# KiCad board srvant.kicad_pcb (continued)
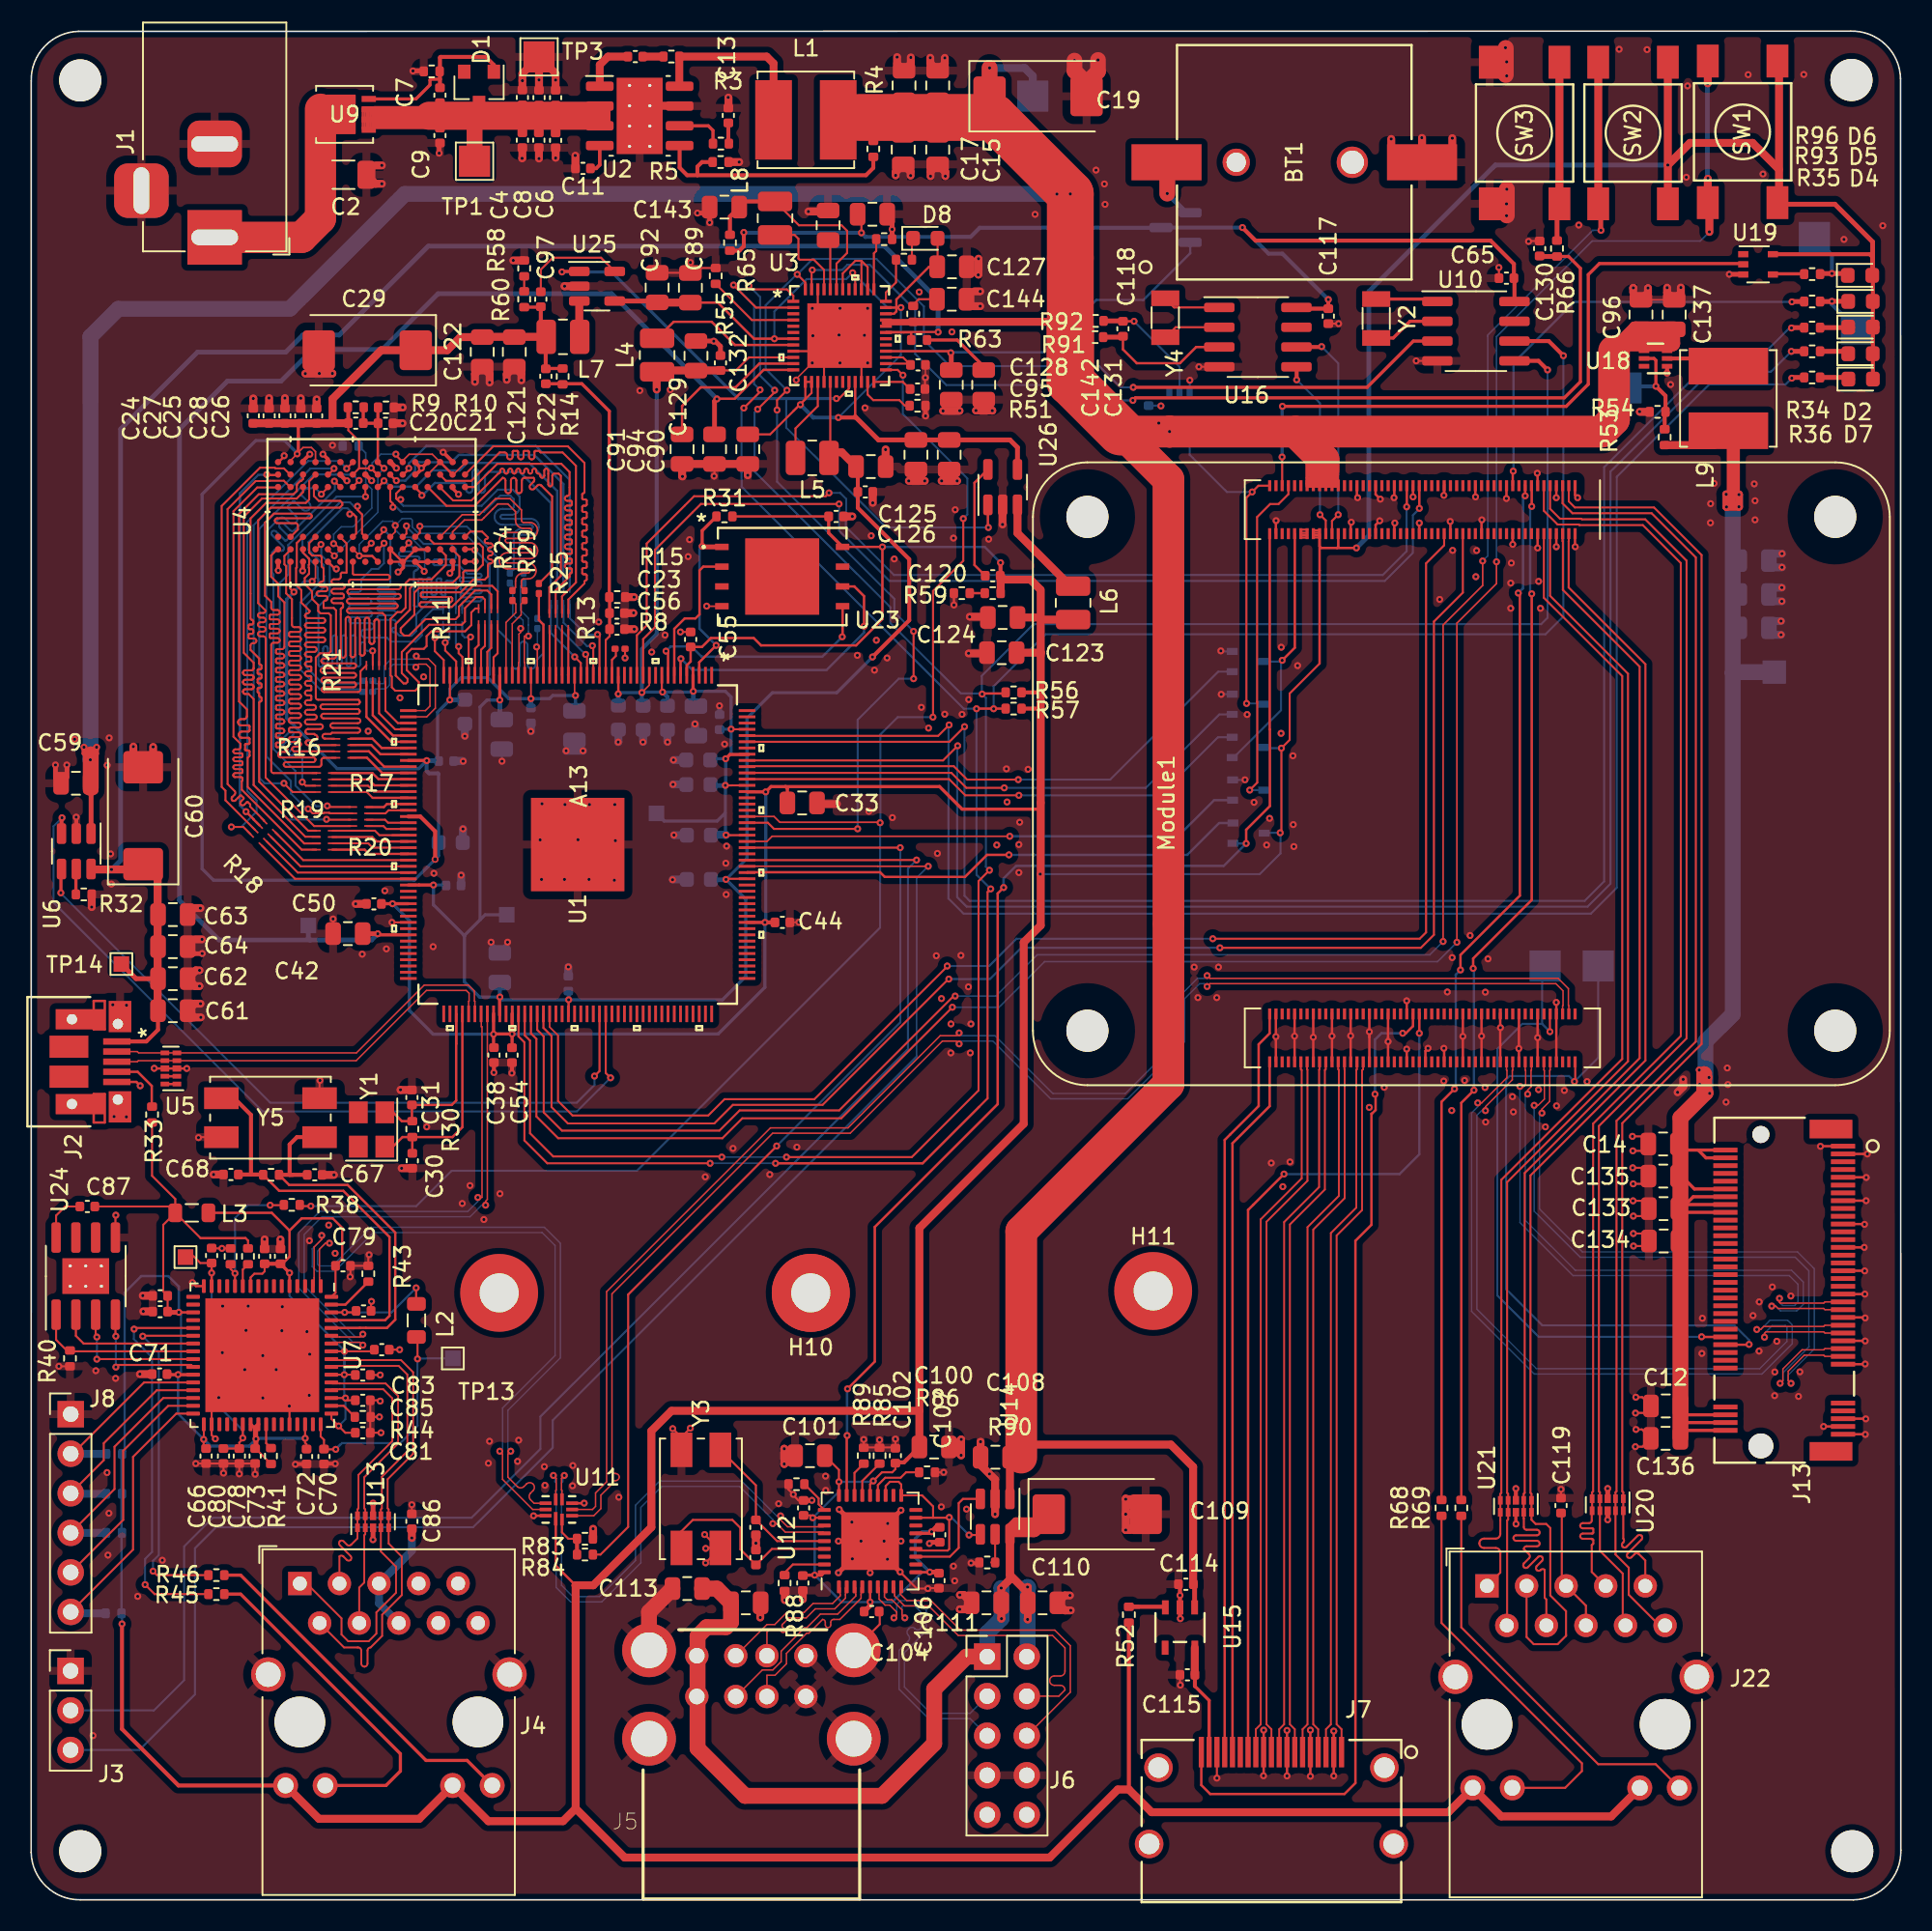
[diagram p0: board, top side]
## Routing (per net, layer and track width the routed paths; a pad name or vN(x,y) marks a point on that pad's centre or on a via; arc(x,y) is an arc through that point) (continued)
/a13 connectors/BMC_DANGER_LED: length 110.1
  Top w0.127: v1(59.91,75.34) 58.94,74.37 U1.171
  Top w0.305: v1(112.99,100.94) 113.01,100.97 R35.2
  Bottom w0.13: v1(112.99,100.94) 112.86,100.94 110.55,98.63 107.6,98.63 100.97,92 100.97,65.41 99.71,64.15 60.24,64.15 59.91,64.48 v1(59.91,75.34)
/a13 connectors/BMC_ID_LED: length 109.5
  Top w0.102: 45.97,74.75 U1.172
  Top w0.127: v1(58.92,75.45) 58.22,74.75 45.97,74.75
  Top w0.13: v1(113.01,97.72) 113.06,97.76
  Top w0.305: 113.06,97.76 R36.2
  Bottom w0.13: v1(58.92,75.45) 58.88,75.41 58.88,64.3 59.85,63.33 100.11,63.33 101.78,65 101.78,91.39 107.71,97.32 112.61,97.32 v1(113.01,97.72)
/a13 connectors/BMC_nRPIBOOT: length 32.3
  Top w0.102: U1.155 47.23,67.97 47.56,68.3 v1(62.81,68.3)
  Bottom w0.152: Q5.1 75.93,70.62 73.61,68.3 v1(62.81,68.3)
/a13 connectors/BMC_POST_COMPLETE: length 32.8
  Top w0.152: v1(62.76,67.11) 61.36,67.11 59.94,65.69 54.79,65.69 54.49,65.99 45.97,65.99 U1.150
  Bottom w0.152: v1(62.76,67.11) 74.21,67.11 76.25,69.15 Q3.2
/a13 connectors/BMC_POWER_BUTTON: length 139.2
  Top w0.102: 107.72,108.84 107.72,108.89 ; v1(91.52,61.49) 91.52,81.99 94.06,84.53 v1(94.06,85.93) ; 107.65,107.04 v1(107.72,107.11)
  Top w0.127: v1(59.13,57.32) 52,50.19 45.65,50.19 44.37,48.91 33.83,48.91 32.43,50.31 32.43,55.29
  Top w0.13: 107.62,116.66 107.61,116.65 v1(107.61,116.63) ; U1.103 32.08,55.64 32.43,55.29 ; v1(107.63,110.55) 107.63,110.53 107.62,110.52 ; SW1.1 107.62,108.94 107.72,108.84
  Top w0.508: v1(107.72,107.11) 107.72,108.84 ; 107.62,116.66 SW1.2 ; SW1.1 107.62,110.52
  Bottom w0.102: v1(107.72,107.11) 107.14,106.53 100.2,106.53 94.06,100.38 v1(94.06,85.93) ; v1(59.13,57.32) 62.12,57.32 65.05,60.25 90.27,60.25 v1(91.52,61.49)
  Bottom w0.13: 107.59,116.59 107.61,116.6 v1(107.61,116.63)
  Bottom w0.305: v1(107.63,110.55) 107.59,110.59 107.59,116.59
/a13 connectors/BMC_POWER_LED: length 108.6
  Top w0.127: v1(59.47,74.11) 58.53,73.17 U1.168
  Top w0.13: v1(59.47,74.11) 59.44,74.08
  Top w0.305: R34.2 v1(112.98,99.44)
  Bottom w0.13: v1(112.98,99.44) 111.67,98.13 107.79,98.13 101.37,91.72 101.37,65.25 99.9,63.78 60.05,63.78 59.44,64.39 59.44,74.08 v1(59.47,74.11)
/a13 connectors/BMC_POWER_OUT: length 33.5
  Top w0.127: U1.166 59.07,72.37 60.03,71.41 v1(62.46,71.41)
  Bottom w0.13: v1(62.46,71.41) 71.55,71.41 76.27,76.13 Q1.1
/a13 connectors/BMC_PS_PWROK: length 33.1
  Top w0.127: U1.165 58.92,71.97 59.96,70.93 v1(63.4,70.93)
  Bottom w0.13: Q4.2 76.18,74.66 72.45,70.93 v1(63.4,70.93)
/a13 connectors/BMC_RESET_BUTTON: length 130.7
  Top w0.102: v1(93.17,85.98) 93.17,84.41 90.63,81.87 v1(90.63,61.54) ; 100.75,108.92 100.74,108.92
  Top w0.127: v1(100.76,107.21) 100.75,107.23 ; v1(59.31,58.04) 59.21,58.04 51.87,50.7 45.48,50.7 44.18,49.4 34.07,49.4 32.9,50.57 32.9,55.45
  Top w0.13: 32.9,55.45 32.48,55.87 U1.104
  Top w0.254: SW2.1 100.59,108.92 ; 100.59,118 SW2.2
  Top w0.305: 100.75,107.23 100.75,108.92
  Top w0.508: 100.59,108.92 100.59,118
  Bottom w0.102: v1(93.17,85.98) 93.5,86.31 93.5,100.48 100.23,107.21 v1(100.76,107.21) ; v1(59.31,58.04) 61.93,58.04 64.58,60.69 89.77,60.69 v1(90.63,61.54)
/a13 connectors/BMC_RESET_OUT: length 34.4
  Top w0.102: 45.98,72.8 U1.167
  Top w0.127: 45.98,72.8 59.22,72.8 60.08,71.94 v1(63.36,71.94)
  Bottom w0.13: Q2.1 76.19,78.87 69.26,71.94 v1(63.36,71.94)
/a13 connectors/HOST_GLOBAL_EN: length 23.2
  Top w0.13: v1(78.01,76.83) 78,76.84 78,90.04 78.77,90.81 Module1.99
  Bottom w0.13: v1(78.01,76.83) 79.04,76.83 Q1.3 ; v1(78.37,90.41) 76.75,90.41 74.36,92.8 U17.4
/a13 connectors/HOST_nEXTRST: length 81.8
  Top w0.152: v1(77.99,67.84) 77.99,68.72 79.51,70.24 79.51,75.16 79.5,75.17 Module1.100 ; U12.26 52.35,29.79 v1(52.37,29.82) ; v1(52.4,32.82) 54.15,34.57 54.15,43.21 62.04,51.1 62.04,64.63 v1(62.42,65.01)
  Bottom w0.152: v1(52.4,32.82) 52.37,32.79 v1(52.37,29.82) ; v1(62.42,65.01) 62.42,65.6 63.22,66.4 76.55,66.4 v1(77.99,67.84) 77.15,67.84 Q3.1 77.27,67.85
/a13 connectors/HOST_nRPIBOOT: length 21.8
  Top w0.13: 80.67,90.89 80.7,90.86 ; v1(78.22,71.27) 78.7,71.75 78.7,76.91 78.69,76.92 78.69,88.8 79.53,89.64 80.07,89.64 80.7,90.27 Module1.93
  Bottom w0.13: v1(78.22,71.27) Q5.3
/a13 connectors/HOST_RUN_PG: length 17.2
  Top w0.13: 81.11,87.72 Module1.92
  Top w0.152: v1(80.3,79.6) 81.11,80.41 81.11,87.72
  Bottom w0.13: Q4.1 77.19,73.36 80.22,76.4 80.22,79.52 ; 80.22,79.52 Q2.3 ; 80.22,79.52 v1(80.3,79.6)
/a13 connectors/TWI1_SCK: length 94.9
  Top w0.102: v1(58.9,59.13) 58.88,59.13
  Top w0.127: 58.88,59.13 50.8,51.05 45.04,51.05 43.85,49.86 34.45,49.86 33.4,50.91 33.4,55.48
  Top w0.13: 91.9,87.78 91.9,83.95 90.04,82.09 90.04,61.97 89.2,61.14 v1(76.3,61.14) ; 33.4,55.48 32.88,56 U1.105
  Bottom w0.13: v1(76.3,61.14) 63.55,61.14 61.54,59.13 v1(58.9,59.13)
/a13 connectors/TWI1_SDA: length 92.9
  Top w0.102: 33.82,55.51 33.28,56.05 U1.106
  Top w0.127: v1(58.8,59.97) 58.8,59.94 50.27,51.42 44.51,51.42 43.46,50.37 34.75,50.37 33.82,51.3 33.82,55.51
  Top w0.13: v1(75.84,61.72) 89.13,61.72 89.54,62.13 89.54,85.83 90.7,86.99 90.7,87.78
  Bottom w0.13: v1(75.84,61.72) 63.25,61.72 61.49,59.97 v1(58.8,59.97)
/a13 connectors/UART1_RX: length 103.4
  Top w0.102: v1(57.58,66.38) 54.35,66.38 54.34,66.38 45.96,66.38 U1.151
  Bottom w0.102: v1(57.58,66.38) 56.84,65.64 56.84,54.16
  Bottom w0.13: J3.3 6.94,9.63 10.52,13.2 10.52,22.58 11.86,23.93 28.37,23.93 33.48,29.04 33.48,30.8 56.84,54.16
/a13 connectors/UART1_TX: length 100.8
  Top w0.13: v1(56.83,66.78) 54.49,66.78 54.49,66.77 U1.152
  Bottom w0.13: v1(56.83,66.78) 56.28,66.23 56.28,54.63 32.69,31.04 32.69,28.96 28.27,24.54 11.66,24.54 9.82,22.7 9.82,14.11 7.87,12.17 J3.2
/a13 connectors/UART3_RX: length 67
  Top w0.127: v1(51.21,90.35) 51,90.14 42.55,90.14 41.96,89.54
  Top w0.13: 41.96,89.54 39.51,87.1 39.51,81.84 38.88,81.21 U1.13 ; 88.3,89.47 v1(88.29,89.46)
  Top w0.152: Module1.55 88.3,89.47
  Bottom w0.127: 88.04,86.36 86.76,85.08 55.38,85.08 52.29,88.17 52.29,89.01 52.32,89.04 52.32,89.96 51.93,90.35 v1(51.21,90.35)
  Bottom w0.13: v1(88.29,89.46) 88.29,86.61 88.04,86.36
/a13 connectors/UART3_TX: length 66.6
  Top w0.127: v1(51.86,89.64) 42.99,89.64 42.46,89.11
  Top w0.13: U1.12 39.28,80.96 40.04,81.72 40.04,86.69 42.46,89.11 ; 89.1,89.36 v1(89.1,89.36)
  Top w0.152: Module1.51 89.1,89.36
  Bottom w0.127: 51.82,89.6 v1(51.86,89.64) 51.86,87.93 55.09,84.7 86.88,84.7 88.69,86.5 88.69,88.91 88.71,88.94
  Bottom w0.13: 88.71,88.94 89.1,89.33 v1(89.1,89.36)
/a13 connectors/USB0_N: length 36
  Top w0.09: v1(21.29,35.63) 21.11,35.8 19.8,35.8 19.8,35.8 19.35,35.8 U7.58 ; v1(28.67,45.11) 28.92,45.11 28.94,45.12 28.94,56.07 28.89,56.07 28.89,56.89 U1.95
  Bottom w0.09: v1(28.67,45.11) 28.67,44.86 28.03,44.21 18.53,44.21 17.18,42.86 17.18,39.29 20.66,35.8 21.11,35.8 v1(21.29,35.63)
/a13 connectors/USB0_P: length 35.4
  Top w0.09: U1.96 29.28,44.98 29.17,44.86 v1(29.17,44.61) ; v1(21.29,36.33) 21.11,36.15 19.8,36.15 19.8,36.15 19.35,36.15 U7.59
  Bottom w0.09: v1(29.17,44.61) 28.91,44.61 28.17,43.87 18.67,43.87 17.52,42.72 17.52,39.43 20.8,36.15 21.11,36.15 v1(21.29,36.33)
/a13 connectors/USB_SELECT: length 63.7
  Top w0.13: v1(55.78,67.57) 54.46,67.57 U1.154 ; R84.1 36.54,22.17 38.32,23.95 38.32,38.87 47.85,48.4 v1(47.85,48.41)
  Bottom w0.13: v1(47.85,48.41) 55.79,56.35 55.79,67.56 v1(55.78,67.57)
/a13 RAM/A0: length 34.2
  Top w0.127: 20.49,68.96 18.16,68.96 15.05,72.07 15.05,80.99 arc(15.01,81.1) 14.9,81.14 14.7,81.14 arc(14.6,81.19) 14.55,81.29 arc(14.6,81.4) 14.7,81.44 14.9,81.44 arc(15.01,81.49) 15.05,81.59 arc(15.01,81.7) 14.9,81.74 14.7,81.74 arc(14.6,81.79) 14.55,81.89 arc(14.6,82) 14.7,82.04 14.9,82.04 arc(15.01,82.09) 15.05,82.19 arc(15.01,82.3) 14.9,82.34 14.7,82.34 arc(14.6,82.39) 14.55,82.49 arc(14.6,82.6) 14.7,82.64 14.9,82.64 arc(15.01,82.69) 15.05,82.79 14.57,83.27 14.57,88.59 15.38,89.4 19.8,89.4 19.97,89.57 19.97,89.7 19.83,89.84 18.46,89.84 18.15,90.15 18.15,90.63 U4.N3
/a13 RAM/A1: length 33
  Top w0.13: 18.55,75.49 17.73,75.49 arc(17.62,75.53) 17.58,75.64 17.58,75.65 arc(17.62,75.76) 17.73,75.8 18.18,75.8 arc(18.28,75.84) 18.33,75.95 arc(18.28,76.06) 18.18,76.11 17.73,76.11 arc(17.62,76.15) 17.58,76.26 17.58,76.27 arc(17.62,76.38) 17.73,76.42 18.13,76.42 arc(18.23,76.46) 18.28,76.57 arc(18.23,76.68) 18.13,76.73 17.73,76.73 arc(17.62,76.77) 17.58,76.88 17.58,76.89 arc(17.62,77) 17.73,77.04 17.93,77.04 arc(17.97,77.05) 17.98,77.09 17.98,77.3 arc(17.97,77.33) 17.93,77.35 17.73,77.35 arc(17.62,77.39) 17.58,77.5 17.58,77.51 arc(17.62,77.62) 17.73,77.66 17.93,77.66 arc(17.97,77.67) 17.98,77.71 17.98,77.92 arc(17.97,77.95) 17.93,77.97 17.73,77.97 arc(17.62,78.01) 17.58,78.12 17.58,78.13 arc(17.62,78.24) 17.73,78.28 17.93,78.28 arc(17.97,78.29) 17.98,78.33 17.98,78.54 arc(17.97,78.57) 17.93,78.59 17.73,78.59 arc(17.62,78.63) 17.58,78.74 17.58,78.75 arc(17.62,78.86) 17.73,78.9 17.93,78.9 arc(17.97,78.91) 17.98,78.95 17.98,79.16 arc(17.97,79.19) 17.93,79.21 17.73,79.21 arc(17.62,79.25) 17.58,79.36 17.58,79.37 arc(17.62,79.48) 17.73,79.52 17.93,79.52 arc(17.97,79.53) 17.98,79.57 17.98,79.78 arc(17.97,79.81) 17.93,79.83 17.73,79.83 arc(17.62,79.87) 17.58,79.98 17.58,79.99 arc(17.62,80.1) 17.73,80.14 18.18,80.14 arc(18.28,80.18) 18.33,80.29 arc(18.28,80.4) 18.18,80.45 17.73,80.45 arc(17.62,80.49) 17.58,80.6 17.58,80.61 arc(17.62,80.72) 17.73,80.76 18.73,80.76 arc(18.83,80.8) 18.88,80.91 arc(18.83,81.02) 18.73,81.07 17.73,81.07 arc(17.62,81.11) 17.58,81.22 17.58,81.23 arc(17.62,81.34) 17.73,81.38 18.73,81.38 arc(18.83,81.42) 18.88,81.53 arc(18.83,81.64) 18.73,81.69 17.73,81.69 arc(17.62,81.73) 17.58,81.84 17.58,81.85 arc(17.62,81.96) 17.73,82 18.73,82 arc(18.83,82.04) 18.88,82.15 arc(18.83,82.26) 18.73,82.31 17.73,82.31 arc(17.62,82.35) 17.58,82.46 17.58,82.47 arc(17.62,82.58) 17.73,82.62 arc(17.84,82.66) 17.88,82.77 17.34,83.31 17.34,84.11 17.04,84.41 17,84.41 17,85.52 17.05,85.57 17.05,87.13 U4.P7 ; 17.76,74.15 R16.6 ; 18.56,75.5 arc(18.67,75.45) 18.72,75.34 arc(18.67,75.23) 18.56,75.19 17.76,75.19 17.76,75.18 arc(17.65,75.13) 17.6,75.03 17.61,74.99 17.63,74.94 17.67,74.89 17.73,74.87 18.17,74.87 18.22,74.82 arc(18.33,74.77) 18.37,74.67 arc(18.33,74.56) 18.22,74.51 18.17,74.46 17.74,74.46 17.69,74.44 17.64,74.4 17.62,74.34 17.62,74.31 arc(17.67,74.2) 17.77,74.16
/a13 RAM/A2: length 31.2
  Top w0.127: 17.45,90.7 17.45,90.4 17.04,89.99 14.82,89.99 13.65,88.82 13.65,80.08 14.28,79.45 14.28,79.11 14.28,79.08 14.26,79.02 14.22,78.98 14.16,78.96 14.13,78.96 13.75,78.96 13.72,78.96 13.66,78.93 13.62,78.89 13.6,78.84 13.6,78.81 13.6,78.8 13.6,78.78 13.62,78.72 13.66,78.68 13.72,78.65 13.75,78.65 14.13,78.65 14.16,78.65 14.22,78.63 14.26,78.59 14.28,78.53 14.28,78.5 14.28,78.47 14.26,78.42 14.22,78.37 14.16,78.35 14.13,78.35 13.75,78.35 13.72,78.35 13.66,78.33 13.62,78.28 13.6,78.23 13.6,78.21 13.6,78.19 13.6,78.17 13.62,78.11 13.66,78.07 13.72,78.05 13.75,78.05 14.13,78.05 14.16,78.04 14.22,78.02 14.26,77.98 14.28,77.92 14.28,77.89 14.28,77.86 14.26,77.81 14.22,77.77 14.16,77.74 14.13,77.74 13.75,77.74 13.72,77.74 13.66,77.72 13.62,77.68 13.6,77.62 13.6,77.6 13.6,77.58 13.6,77.56 13.62,77.5 13.66,77.46 13.72,77.44 13.75,77.44 13.96,77.44 14.28,77.11 14.28,71.59 17.6,68.27 18.51,68.27
  Top w0.13: 17.45,90.6 U4.P3
/a13 RAM/A3: length 30.9
  Top w0.127: 18.25,91.5 17.85,91.09 17.85,89.93 17.63,89.71 15.08,89.71 14.08,88.71 14.08,82.29 arc(14.11,82.23) 14.17,82.2 arc(14.23,82.17) 14.26,82.11 14.26,81.99 arc(14.23,81.93) 14.17,81.9 14.02,81.9 arc(13.97,81.88) 13.95,81.84 13.95,81.66 arc(13.97,81.62) 14.02,81.6 14.17,81.6 arc(14.23,81.57) 14.26,81.51 14.26,81.39 arc(14.23,81.33) 14.17,81.3 14.02,81.3 arc(13.97,81.28) 13.95,81.24 13.95,81.06 arc(13.97,81.02) 14.02,81 14.31,81 arc(14.41,80.96) 14.46,80.85 arc(14.41,80.74) 14.31,80.7 14.23,80.7 arc(14.12,80.66) 14.08,80.55 14.08,80.27
  Top w0.13: R20.5 17.78,68.66 14.63,71.8 14.63,76.87 arc(14.66,76.93) 14.71,76.95 arc(14.76,76.97) 14.78,77.02 14.78,77.17 arc(14.76,77.23) 14.71,77.25 arc(14.66,77.27) 14.63,77.32 14.63,77.47 arc(14.62,77.51) 14.58,77.52 arc(14.55,77.54) 14.53,77.57 14.53,77.77 arc(14.55,77.81) 14.58,77.82 14.71,77.82 arc(14.76,77.85) 14.78,77.9 14.78,78.05 arc(14.76,78.1) 14.71,78.12 14.58,78.12 arc(14.55,78.14) 14.53,78.17 14.53,78.37 arc(14.55,78.41) 14.58,78.42 14.71,78.42 arc(14.76,78.45) 14.78,78.5 14.78,78.65 arc(14.76,78.7) 14.71,78.72 14.58,78.72 arc(14.55,78.74) 14.53,78.77 14.53,78.97 arc(14.55,79.01) 14.58,79.02 14.71,79.02 arc(14.76,79.05) 14.78,79.1 14.78,79.25 arc(14.76,79.3) 14.71,79.32 arc(14.66,79.35) 14.63,79.4 14.63,79.71 14.08,80.27
/a13 RAM/A4: length 32.8
  Top w0.127: 17.45,86.7 17.45,86.51 17.82,86.15 17.82,86.12 17.85,86.09 17.85,85.77 17.82,85.74 17.82,85.55 17.84,85.52 17.84,85.17 17.82,85.15 17.82,85.14 17.56,84.88 17.56,84.5 18.03,84.03 18.03,83.55 18.42,83.16 18.42,82.77 18.57,82.62 19.1,82.62 19.23,82.49 19.23,80.17 19.11,80.05 18.54,80.05 18.27,79.78 18.27,77.22 arc(18.31,77.11) 18.42,77.07 21.01,77.07 21.07,77.01 21.09,76.95 21.09,76.92 21.09,76.89 21.07,76.83 21.03,76.79 20.97,76.77 18.72,76.77 18.72,76.77 arc(18.61,76.73) 18.57,76.62 arc(18.61,76.51) 18.72,76.47 21,76.47 21.07,76.4 21.09,76.34 21.09,76.31 arc(21.05,76.2) 20.94,76.16 20.93,76.17 18.77,76.17 arc(18.66,76.13) 18.62,76.02 arc(18.66,75.91) 18.77,75.87 18.77,75.87 20.92,75.87 ; 19.45,74.57 18.85,74.57 18.85,74.57 arc(18.74,74.61) 18.7,74.72 arc(18.74,74.83) 18.85,74.87 19.23,74.87 19.31,74.95 20.96,74.95 ; 20.95,75.56 20.94,75.56 19.36,75.56 arc(19.25,75.52) 19.21,75.41 arc(19.25,75.3) 19.36,75.26 19.36,75.26 20.94,75.26 ; 20.97,74.95 arc(21.08,74.99) 21.12,75.1 arc(21.08,75.21) 20.97,75.25 ; 20.98,75.56 arc(21.09,75.6) 21.13,75.71 arc(21.09,75.82) 20.98,75.86
/a13 RAM/A5: length 32.1
  Top w0.127: 17.45,91.5 17.45,91.24 17.34,91.13 17.29,91.13 17.05,90.89 17.05,90.84 17.05,90.84 17.05,90.48 16.84,90.27 14.61,90.27 13.34,89 13.34,76.96 13.85,76.45 13.85,76.03 13.85,75.99 13.82,75.91 13.76,75.86 13.69,75.83 13.65,75.83 13.48,75.83 13.44,75.82 13.37,75.79 13.31,75.74 13.28,75.66 13.28,75.63 13.28,75.59 13.31,75.51 13.37,75.46 13.44,75.43 13.48,75.43 13.93,75.43 13.96,75.42 14,75.4 14.02,75.36 14.02,75.34 14.02,75.11 14.02,75.09 14,75.05 13.96,75.03 13.93,75.03 13.53,75.03 13.49,75.02 13.42,74.99 13.36,74.94 13.33,74.86 13.33,74.83 13.33,74.79 13.36,74.71 13.42,74.66 13.49,74.63 13.53,74.63 13.93,74.63 13.96,74.62 14,74.6 14.02,74.56 14.02,74.54 14.02,74.31 14.02,74.29 14,74.25 13.96,74.23 13.93,74.23 13.79,74.23 13.77,74.23 13.75,74.21 13.73,74.18 13.73,74.17 13.73,73.88 13.73,73.87 13.75,73.84 13.77,73.82 13.79,73.83 13.85,73.83 13.85,73.81 13.93,73.81 13.96,73.81 14,73.79 14.02,73.75 14.02,73.73 14.02,73.49 14.02,73.47 14,73.43 13.9,73.33 13.9,71.47 17.53,67.84 18.54,67.84
/a13 RAM/A6: length 32.9
  Top w0.127: 19.45,73.76 16.86,73.76 16.74,73.87 16.74,73.9 arc(16.78,74.01) 16.89,74.05 17.17,74.05 arc(17.28,74.1) 17.33,74.21 arc(17.28,74.32) 17.17,74.36 16.65,74.36 arc(16.58,74.39) 16.55,74.45 16.55,74.57 arc(16.58,74.64) 16.65,74.67 17.17,74.67 arc(17.28,74.71) 17.33,74.82 arc(17.28,74.93) 17.17,74.97 16.65,74.97 arc(16.58,75) 16.55,75.07 16.55,75.19 arc(16.58,75.25) 16.65,75.28 17.17,75.28 arc(17.28,75.33) 17.33,75.44 arc(17.28,75.54) 17.17,75.59 16.65,75.59 arc(16.58,75.62) 16.55,75.68 16.55,75.8 arc(16.58,75.87) 16.65,75.9 17.17,75.9 arc(17.28,75.94) 17.33,76.05 arc(17.28,76.16) 17.17,76.2 16.65,76.2 arc(16.58,76.23) 16.55,76.3 16.55,76.42 arc(16.58,76.48) 16.65,76.51 17.17,76.51 arc(17.28,76.55) 17.33,76.66 arc(17.28,76.77) 17.17,76.82 16.65,76.82 arc(16.58,76.84) 16.55,76.91 16.55,77.03 arc(16.58,77.1) 16.65,77.12 17.17,77.12 arc(17.28,77.17) 17.33,77.28 arc(17.28,77.39) 17.17,77.43 16.65,77.43 arc(16.58,77.46) 16.55,77.52 16.55,77.64 arc(16.58,77.71) 16.65,77.74 17.17,77.74 arc(17.28,77.78) 17.33,77.89 arc(17.28,78) 17.17,78.04 16.65,78.04 arc(16.58,78.07) 16.55,78.14 16.55,78.26 arc(16.58,78.32) 16.65,78.35 17.17,78.35 arc(17.28,78.4) 17.33,78.51 arc(17.28,78.61) 17.17,78.66 16.65,78.66 arc(16.58,78.69) 16.55,78.75 16.55,78.87 arc(16.58,78.94) 16.65,78.97 17.17,78.97 arc(17.28,79.01) 17.33,79.12 arc(17.28,79.23) 17.17,79.27 16.65,79.27 arc(16.58,79.3) 16.55,79.37 16.55,79.49 arc(16.58,79.55) 16.65,79.58 17.17,79.58 arc(17.28,79.62) 17.33,79.73 arc(17.28,79.84) 17.17,79.89 16.65,79.89 arc(16.58,79.91) 16.55,79.98 16.55,80.1 arc(16.58,80.17) 16.65,80.19 17.17,80.19 arc(17.28,80.24) 17.33,80.35 arc(17.28,80.46) 17.17,80.5 16.65,80.5 arc(16.58,80.53) 16.55,80.59 16.55,80.71 arc(16.58,80.78) 16.65,80.81 17.17,80.81 arc(17.28,80.85) 17.33,80.96 arc(17.28,81.07) 17.17,81.11 16.65,81.11 arc(16.58,81.14) 16.55,81.21 16.55,81.33 arc(16.58,81.39) 16.65,81.42 17.17,81.42 arc(17.28,81.47) 17.33,81.58 arc(17.28,81.68) 17.17,81.73 16.89,81.73 arc(16.78,81.77) 16.74,81.88 16.74,83.53 16.37,83.9 16.37,85.65 16.25,85.77 16.25,86.3 16.65,86.7
/a13 RAM/A7: length 27.3
  Top w0.127: R18.7 12.47,70.61 12.47,71.23 12.23,71.47 12.23,89.51 14.69,91.97 15.64,91.97 15.69,91.93 16.22,91.93 16.65,91.5
/a13 RAM/A8: length 32.7
  Top w0.127: R16.8 18.78,73.34 arc(18.67,73.3) 18.63,73.19 18.63,72.91 arc(18.59,72.8) 18.48,72.76 16.36,72.76 arc(16.25,72.8) 16.21,72.91 arc(16.25,73.02) 16.36,73.06 18.1,73.06 arc(18.21,73.1) 18.25,73.21 18.25,73.24 18.23,73.29 18.16,73.36 16.01,73.36 arc(15.9,73.4) 15.86,73.51 15.86,73.57 arc(15.9,73.68) 16.01,73.72 16.3,73.72 arc(16.41,73.76) 16.45,73.87 arc(16.41,73.98) 16.3,74.02 15.79,74.02 arc(15.74,74.04) 15.72,74.09 15.72,74.25 arc(15.74,74.3) 15.79,74.32 16.1,74.32 arc(16.21,74.36) 16.25,74.47 arc(16.21,74.58) 16.1,74.62 15.79,74.62 arc(15.74,74.64) 15.72,74.69 15.72,74.85 arc(15.74,74.9) 15.79,74.92 16.1,74.92 arc(16.21,74.96) 16.25,75.07 arc(16.21,75.18) 16.1,75.22 15.79,75.22 arc(15.74,75.24) 15.72,75.29 15.72,75.45 arc(15.74,75.5) 15.79,75.52 16.1,75.52 arc(16.21,75.56) 16.25,75.67 arc(16.21,75.78) 16.1,75.82 15.79,75.82 arc(15.74,75.84) 15.72,75.89 15.72,76.05 arc(15.74,76.1) 15.79,76.12 16.1,76.12 arc(16.21,76.16) 16.25,76.27 arc(16.21,76.38) 16.1,76.42 15.79,76.42 arc(15.74,76.44) 15.72,76.49 15.72,76.65 arc(15.74,76.7) 15.79,76.72 16.1,76.72 arc(16.21,76.76) 16.25,76.87 arc(16.21,76.98) 16.1,77.02 15.79,77.02 arc(15.74,77.04) 15.72,77.09 15.72,77.25 arc(15.74,77.3) 15.79,77.32 16.1,77.32 arc(16.21,77.36) 16.25,77.47 arc(16.21,77.58) 16.1,77.62 15.79,77.62 arc(15.74,77.64) 15.72,77.69 15.72,77.85 arc(15.74,77.9) 15.79,77.92 16.1,77.92 arc(16.21,77.96) 16.25,78.07 arc(16.21,78.18) 16.1,78.22 15.79,78.22 arc(15.74,78.24) 15.72,78.29 15.72,78.45 arc(15.74,78.5) 15.79,78.52 16.1,78.52 arc(16.21,78.56) 16.25,78.67 arc(16.21,78.78) 16.1,78.82 15.79,78.82 arc(15.74,78.84) 15.72,78.89 15.72,79.05 arc(15.74,79.1) 15.79,79.12 16.1,79.12 arc(16.21,79.16) 16.25,79.27 arc(16.21,79.38) 16.1,79.42 15.79,79.42 arc(15.74,79.44) 15.72,79.49 15.72,79.65 arc(15.74,79.7) 15.79,79.72 16.1,79.72 arc(16.21,79.76) 16.25,79.87 arc(16.21,79.98) 16.1,80.02 15.79,80.02 arc(15.74,80.04) 15.72,80.09 15.72,80.25 arc(15.74,80.3) 15.79,80.32 16.1,80.32 arc(16.21,80.36) 16.25,80.47 16.25,83.32 15.86,83.71 15.86,84.51 15.4,84.97 15.4,86.33 15.77,86.7
/a13 RAM/A9: length 27.7
  Top w0.127: 16.65,90.7 16.22,91.13 15.31,91.13 15.29,91.11 14.41,91.11 12.61,89.31 12.61,71.65 13.07,71.2 arc(13.11,71.09) 13.07,70.99 12.9,70.82 arc(12.86,70.72) 12.9,70.61 arc(13.01,70.57) 13.12,70.61 13.42,70.91 arc(13.46,70.93) 13.49,70.91 13.63,70.77 arc(13.65,70.74) 13.63,70.7 13.47,70.54 arc(13.43,70.43) 13.47,70.33 arc(13.58,70.28) 13.68,70.33 13.84,70.49 arc(13.88,70.5) 13.92,70.49 14.06,70.35 arc(14.07,70.31) 14.06,70.28 arc(14.04,70.24) 14.06,70.21 14.94,69.32 R18.5
/a13 RAM/A10: length 32.5
  Top w0.127: 19.85,87.5 20.25,87.1 20.25,85.23 19.94,85.23 19.87,85.16 19.87,84.96 arc(19.83,84.85) 19.72,84.8 19.43,84.8 arc(19.32,84.76) 19.28,84.65 arc(19.32,84.54) 19.43,84.5 20,84.5 arc(20.08,84.46) 20.12,84.37 20.12,84.31 arc(20.08,84.23) 20,84.19 19.43,84.19 arc(19.32,84.14) 19.28,84.04 arc(19.32,83.93) 19.43,83.88 19.97,83.88 arc(20.04,83.85) 20.07,83.78 20.07,83.67 arc(20.04,83.6) 19.97,83.58 19.43,83.58 arc(19.32,83.53) 19.28,83.42 arc(19.32,83.31) 19.43,83.27 19.95,83.27 arc(20,83.25) 20.02,83.2 20.02,83.03 arc(20,82.98) 19.95,82.96 arc(19.89,82.94) 19.87,82.89 19.87,79.92 arc(19.92,79.81) 20.03,79.77 arc(20.13,79.81) 20.18,79.92 20.19,79.93 20.19,82.24 arc(20.23,82.35) 20.34,82.39 arc(20.45,82.35) 20.49,82.24 20.49,79.92 20.52,79.86 20.56,79.82 20.62,79.8 20.65,79.8 arc(20.75,79.84) 20.8,79.95 20.8,79.95 20.8,82.21 20.82,82.26 20.86,82.31 20.92,82.33 20.95,82.33 arc(21.06,82.29) 21.1,82.18 21.1,79.99 21.17,79.92 21.23,79.9 21.26,79.9 arc(21.37,79.94) 21.41,80.05 21.41,80.06 21.41,82.19 arc(21.45,82.3) 21.56,82.34 arc(21.67,82.3) 21.71,82.19 21.71,80.78 21.72,80.77 21.74,80.71 21.79,80.67 21.84,80.65 21.87,80.65 arc(21.98,80.69) 22.03,80.8 22.03,82.11 22.05,82.16 22.09,82.21 22.15,82.23 22.18,82.23 arc(22.29,82.19) 22.33,82.08 22.33,81.2 22.33,79.28
/a13 RAM/A11: length 31.8
  Top w0.127: 16.72,87.53 U4.R7 17.12,88 17.12,88.26 arc(17.08,88.37) 16.97,88.41 15.79,88.41 arc(15.68,88.45) 15.64,88.56 ; 15.64,88.57 arc(15.68,88.68) 15.79,88.72 17.89,88.72 17.94,88.74 17.99,88.79 18.01,88.84 18.01,88.87 arc(17.97,88.98) 17.86,89.02 15.58,89.02 15.01,88.45 15.01,83.75 15.41,83.35 15.41,82.98 arc(15.45,82.87) 15.56,82.83 15.81,82.83 arc(15.92,82.79) 15.96,82.68 arc(15.92,82.57) 15.81,82.53 15.36,82.53 arc(15.32,82.52) 15.31,82.48 15.31,82.28 arc(15.32,82.24) 15.36,82.23 15.81,82.23 arc(15.92,82.19) 15.96,82.08 arc(15.92,81.97) 15.81,81.93 15.36,81.93 arc(15.32,81.92) 15.31,81.88 15.31,81.68 arc(15.32,81.64) 15.36,81.63 15.81,81.63 arc(15.92,81.59) 15.96,81.48 arc(15.92,81.37) 15.81,81.33 15.36,81.33 arc(15.32,81.32) 15.31,81.28 15.31,81.08 arc(15.32,81.04) 15.36,81.03 15.81,81.03 arc(15.92,80.99) 15.96,80.88 arc(15.92,80.77) 15.81,80.73 15.56,80.73 arc(15.45,80.69) 15.41,80.58 15.41,72.51 arc(15.45,72.4) 15.56,72.36
  Top w0.13: 15.56,72.36 18.31,72.36 R17.5
/a13 RAM/A12: length 31.2
  Top w0.127: U4.N7 17.85,87.13 17.85,86.52 18.04,86.33 18.09,86.33 18.55,86.33 18.65,86.23 18.65,85.62 18.77,85.5 18.77,84.79 arc(18.73,84.68) 18.62,84.64 arc(18.51,84.59) 18.47,84.49 arc(18.51,84.38) 18.62,84.34 18.89,84.34 arc(18.98,84.3) 19.02,84.21 19.02,84.16 arc(18.98,84.07) 18.89,84.04 18.47,84.04 arc(18.36,83.99) 18.32,83.89 arc(18.36,83.78) 18.47,83.74 18.89,83.74 arc(18.98,83.7) 19.02,83.61 19.02,83.56 arc(18.98,83.47) 18.89,83.44 arc(18.81,83.4) 18.77,83.31 18.77,82.96 19.42,82.96 19.57,82.81 19.57,79.86 arc(19.53,79.75) 19.42,79.71 19.41,79.71 18.77,79.71 arc(18.66,79.67) 18.62,79.56 arc(18.66,79.45) 18.77,79.41 18.78,79.4 20.71,79.4 arc(20.82,79.36) 20.86,79.25 arc(20.82,79.14) 20.71,79.1 18.73,79.1 arc(18.62,79.06) 18.58,78.95 arc(18.62,78.84) 18.73,78.8 18.73,78.79 20.71,78.79 arc(20.82,78.75) 20.86,78.64 arc(20.82,78.53) 20.71,78.49 18.79,78.49 18.78,78.48 arc(18.67,78.44) 18.63,78.33 arc(18.67,78.22) 18.78,78.18 20.76,78.18 20.83,78.11 20.85,78.05 20.85,78.02 arc(20.81,77.92) 20.7,77.87 18.79,77.87 arc(18.68,77.83) 18.64,77.72 arc(18.68,77.61) 18.79,77.57 18.79,77.57 20.99,77.57 20.99,77.57 arc(21.1,77.61) 21.14,77.72 21.14,78.9 21.52,79.28
/a13 RAM/A13: length 31.9
  Top w0.127: 15.85,90.7 14.51,90.7 12.99,89.18 12.99,74.7 13.44,74.24 13.44,74.01 arc(13.41,73.92) 13.32,73.88 13.1,73.88 arc(13.01,73.85) 12.97,73.76 arc(13.01,73.67) 13.1,73.63 13.5,73.63 arc(13.55,73.61) 13.57,73.57 13.57,73.44 arc(13.55,73.39) 13.5,73.37 13.1,73.37 arc(13.01,73.34) 12.97,73.25 arc(13.01,73.16) 13.1,73.12 13.5,73.12 arc(13.55,73.1) 13.57,73.06 13.57,72.93 arc(13.55,72.88) 13.5,72.87 13.1,72.87 arc(13.01,72.83) 12.97,72.74 arc(13.01,72.65) 13.1,72.61 13.5,72.61 arc(13.55,72.59) 13.57,72.55 13.57,72.42 arc(13.55,72.38) 13.5,72.36 13.1,72.36 arc(13.01,72.32) 12.97,72.23 12.97,72.2 13.01,72.14 13.06,72.11 13.1,72.1 13.44,72.1 13.44,72.09 13.5,72.09 arc(13.55,72.07) 13.57,72.03 13.57,71.9 arc(13.55,71.85) 13.5,71.84 ; R20.8 17.37,67.44 13.52,71.29 13.52,71.84
/a13 RAM/a13_XI: length 13.8
  Top w0.152: U1.92 27.68,49.62 27.05,48.99 R30.2 ; Y1.1 23.22,48.37 23.84,48.99 R30.2 ; R30.2 C30.2
/a13 RAM/a13_XO: length 13.5
  Top w0.1: 24.44,50.03 R30.1
  Top w0.13: 27.29,56.89 27.29,54.97 27.28,54.96
  Top w0.152: 24.44,50.03 C31.2 27,51.05 27.28,51.33 27.28,56.88 27.29,56.89 ; Y1.2 23.23,50.57 23.79,50.01 R30.1
/a13 RAM/BA0: length 31.1
  Top w0.127: 20.49,69.36 18.99,69.36 v1(18.96,69.39) ; 19.05,91.5 19.44,91.89 v1(19.44,91.92)
  Bottom w0.127: 18.98,69.37 16.51,69.37 14.28,71.6 14.28,88.28 17.92,91.92 v1(19.44,91.92)
/a13 RAM/BA1: length 28.6
  Top w0.127: 21.93,79.28 21.93,80.2 v1(21.92,80.21) ; 18.26,86.7 v1(18.6,87.04)
  Bottom w0.127: v1(21.92,80.21) 21.59,80.21 arc(21.48,80.25) 21.44,80.36 21.44,80.61 arc(21.4,80.72) 21.29,80.76 arc(21.18,80.72) 21.14,80.61 21.14,79.36 arc(21.1,79.25) 20.99,79.21 arc(20.88,79.25) 20.84,79.36 20.84,81.06 arc(20.8,81.17) 20.69,81.21 arc(20.58,81.17) 20.54,81.06 20.54,79.36 arc(20.5,79.25) 20.39,79.21 arc(20.28,79.25) 20.24,79.36 20.24,81.06 arc(20.2,81.17) 20.09,81.21 arc(19.98,81.17) 19.94,81.06 19.94,79.36 arc(19.9,79.25) 19.79,79.21 arc(19.68,79.25) 19.64,79.36 19.64,81.06 arc(19.6,81.17) 19.49,81.21 arc(19.38,81.17) 19.34,81.06 19.34,79.36 arc(19.3,79.25) 19.19,79.21 19.16,79.21 19.11,79.23 19.04,79.3 19.04,80.38 19.02,80.43 18.97,80.48 18.92,80.5 18.89,80.5 arc(18.78,80.46) 18.74,80.35 18.74,79.3 18.72,79.25 18.67,79.2 18.62,79.18 18.59,79.18 arc(18.48,79.22) 18.44,79.33 18.44,83.06 19.17,83.79 19.17,85.8 18.62,86.34 18.62,87.02